# KiCad board tinytapeout-demo.kicad_pcb
title: TinyTapeout 4+ Demoboard; date: 2024-01-31; rev: 1.0.0; company: Psychogenic Technologies; note: (C) 2023, 2024 Pat Deegan
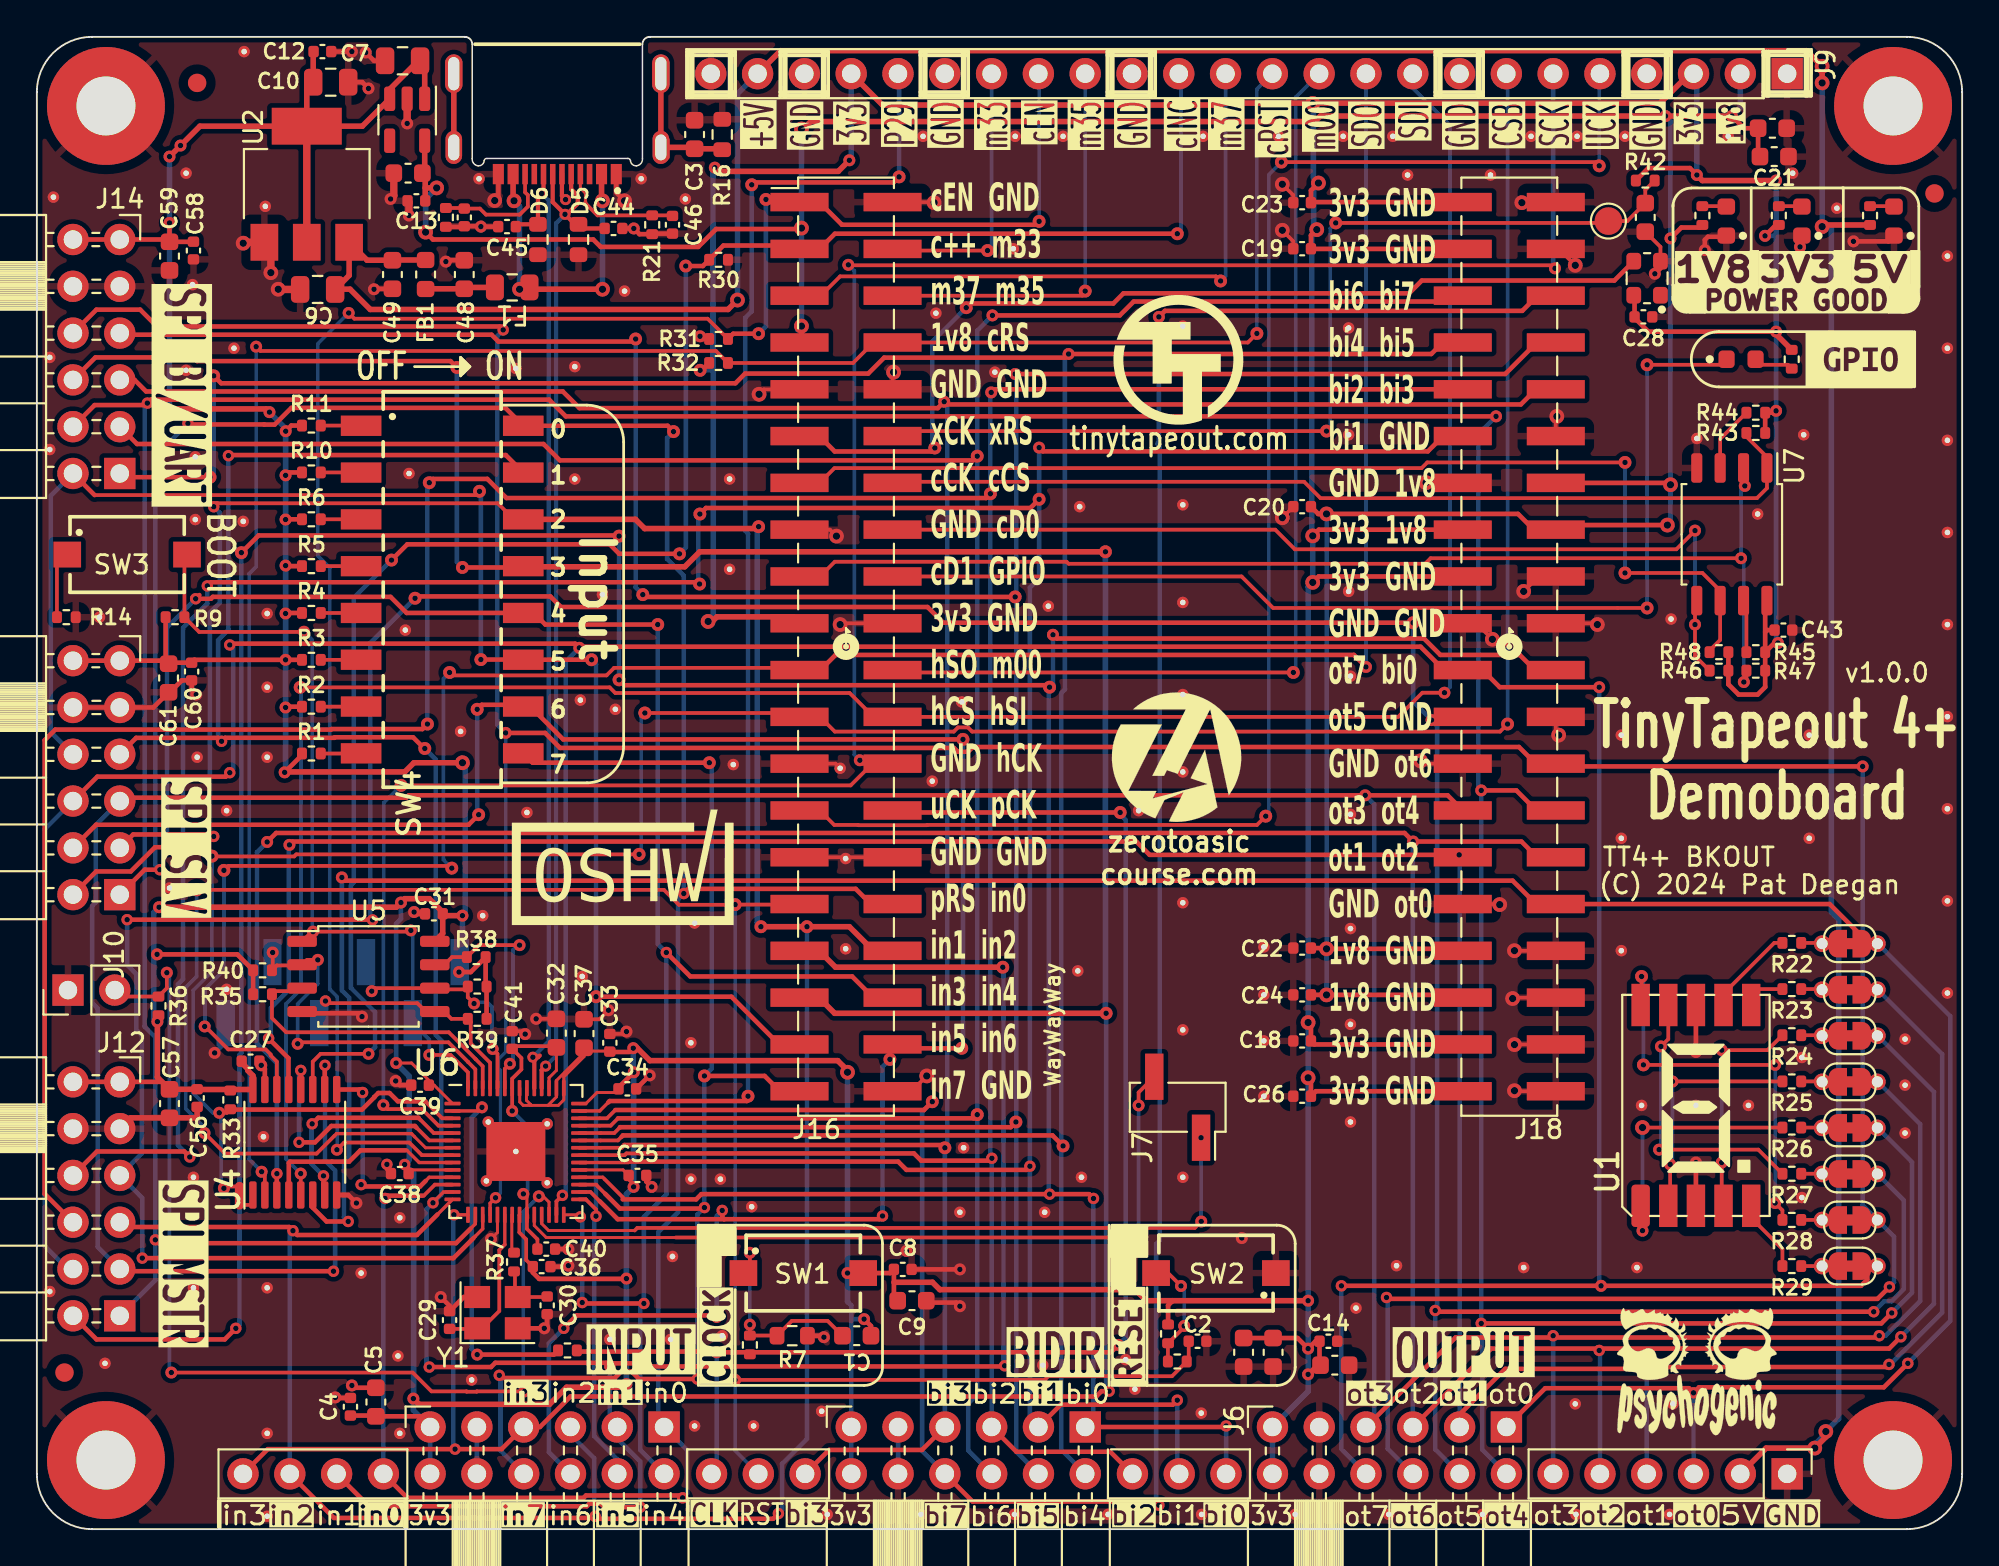
[diagram p0: board, top side]
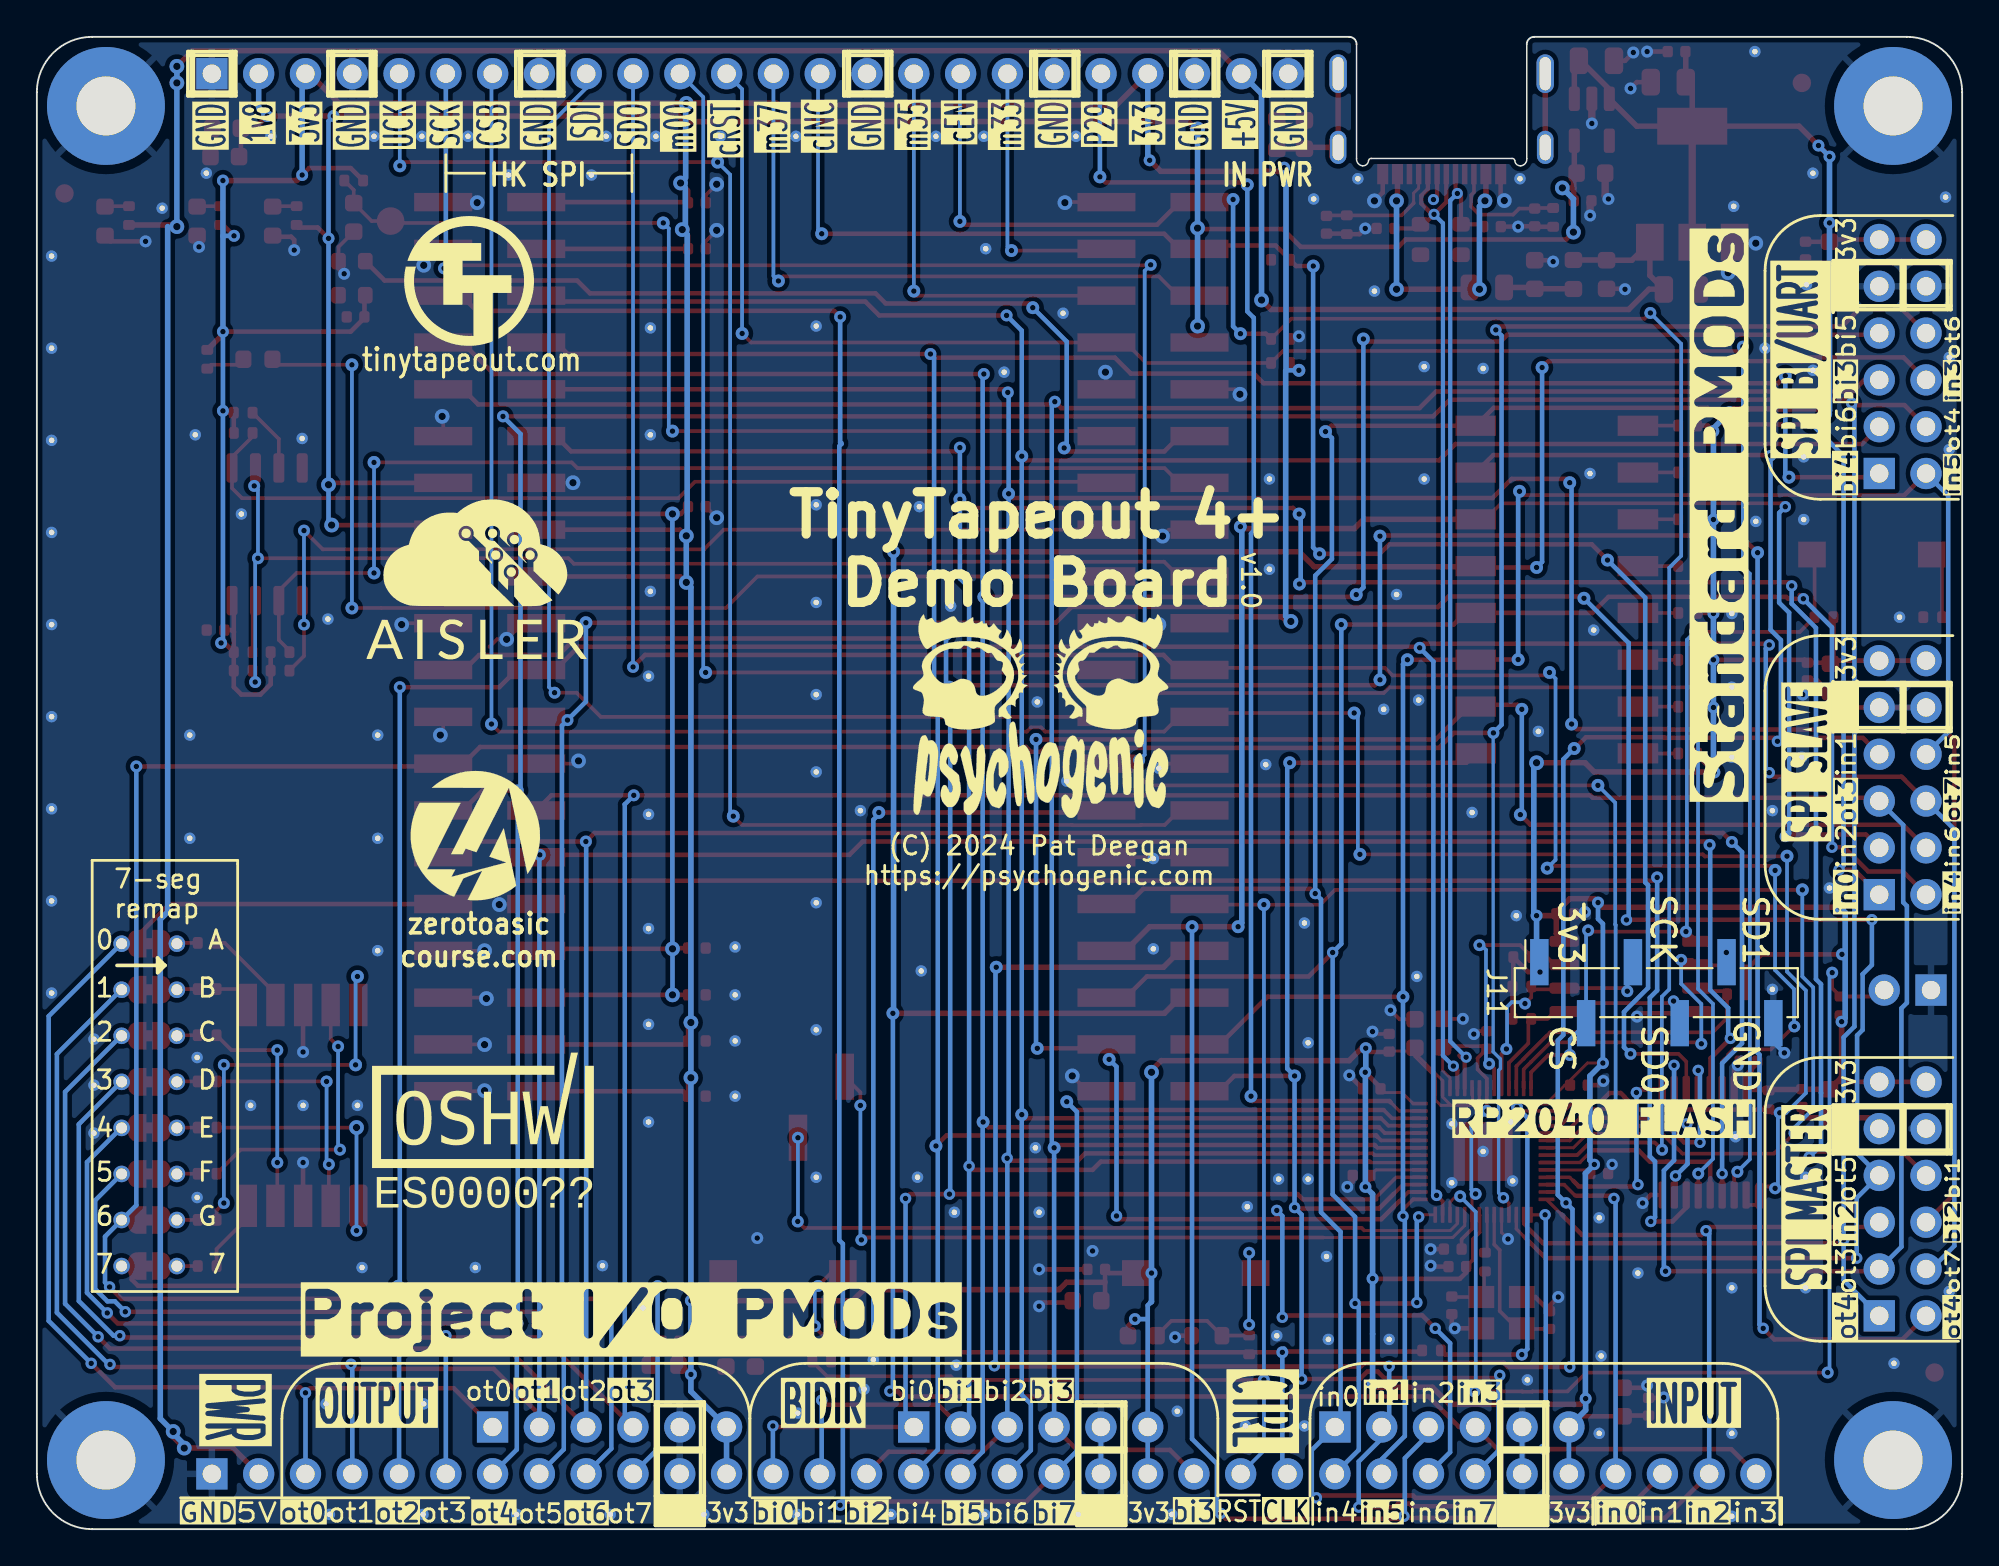
[diagram p1: board, bottom side, seen from below]

Outline 104.5 x 81 mm; copper layers: Top, In1.Cu, In2.Cu, Bottom. Coordinates in mm from the lower left corner of the outline.
Outline path: 23.63,80.6 arc(23.51,80.88) 23.23,81 3,81 arc(0.88,80.12) 0,78 0,3 arc(0.88,0.88) 3,0 101.5,0 arc(103.62,0.88) 104.5,3 104.5,78 arc(103.62,80.12) 101.5,81 33.27,81 arc(32.99,80.88) 32.87,80.6
Stack: Top 0.035mm / dielectric 0.0681mm R-1551(W) er 4.3 / dielectric 0.0681mm R-1551(W) er 4.3 / In1.Cu 0.035mm / dielectric 1.13mm R-1566(W) er 4.6 / In2.Cu 0.035mm / dielectric 0.0681mm R-1551(W) er 4.3 / dielectric 0.0681mm R-1551(W) er 4.3 / Bottom 0.035mm

## Placement (name value [footprint] x y rotation side)
C1  1uF  [C_0603_1608Metric]  44.5 10.5 180 top
C2  100nF  [C_0402_1005Metric]  63 10.2 0 top
C3  6800pF  [C_0603_1608Metric]  35.7 75.7 90 top
C4  100nF  [C_0402_1005Metric]  17.02 6.64 90 top
C5  1uF  [C_0603_1608Metric]  18.4 6.9 270 top
C6  10uF  [C_0805_2012Metric]  15.24 67.29 180 top
C7  10uF  [C_0805_2012Metric]  19.85 79.7 180 top
C8  100nF  [C_0402_1005Metric]  47 14.1 0 top
C9  1uF  [C_0603_1608Metric]  47.5 12.4 180 top
C10  22uF  [C_0805_2012Metric]  15.95 78.54 0 top
C11  1uF  [C_0603_1608Metric]  20.15 73.6 180 top
C12  100nF  [C_0402_1005Metric]  15.5 80.2 0 top
C13  100nF  [C_0402_1005Metric]  20.6 72.1 180 top
C14  100nF  [C_0402_1005Metric]  70.1 10.2 0 top
C15  1uF  [C_0603_1608Metric]  70.45 8.9 180 top
C16  10uF  [C_0603_1608Metric]  67.1 9.6 90 top
C17  1uF  [C_0603_1608Metric]  65.5 9.6 90 top
C18  100nF  [C_0402_1005Metric]  68.67 26.5 180 top
C19  100nF  [C_0402_1005Metric]  68.67 69.5 0 top
C20  100nF  [C_0402_1005Metric]  68.67 55.5 0 top
C21  10uF  [C_0603_1608Metric]  94.3 74.5 180 top
C22  100nF  [C_0402_1005Metric]  68.67 31.54 0 top
C23  100nF  [C_0402_1005Metric]  68.67 72 0 top
C24  100nF  [C_0402_1005Metric]  68.67 29 0 top
C25  1uF  [C_0603_1608Metric]  94.2 76.04 180 top
C26  100nF  [C_0402_1005Metric]  68.67 23.5 0 top
C27  100nF  [C_0402_1005Metric]  11.6 25.4 0 top
C28  100nF  [C_0402_1005Metric]  87.2 65.8 180 top
C29  6pF  [C_0402_1005Metric]  22.4 11.35 90 top
C30  6pF  [C_0402_1005Metric]  27.7 12.15 270 top
C31  100nF  [C_0402_1005Metric]  21.55 33.4 0 top
C32  1uF  [C_0603_1608Metric]  28.2 26.92 270 top
C33  100nF  [C_0402_1005Metric]  31.1 26.4 90 top
C34  100nF  [C_0402_1005Metric]  32.05 23.9 0 top
C35  100nF  [C_0402_1005Metric]  32.6 19.2 0 top
C36  100nF  [C_0402_1005Metric]  27.4 14.25 0 top
C37  1uF  [C_0603_1608Metric]  29.7 26.9 90 top
C38  100nF  [C_0402_1005Metric]  19.7 19.3 180 top
C39  100nF  [C_0402_1005Metric]  20.8 24.1 180 top
C40  100nF  [C_0402_1005Metric]  27.65 15.2 0 top
C41  100nF  [C_0402_1005Metric]  25.8 26.55 90 top
C42  1uF  [C_0603_1608Metric]  87.3 71.2 90 top
C43  100nF  [C_0402_1005Metric]  94.8 48.8 180 top
C44  C_33p_0402_50V  [C_0402_1005Metric]  31.3 70.6 0 top
C45  C_33p_0402_50V  [C_0402_1005Metric]  25.52 70.7 180 top
C46  C_33p_0402_50V  [C_0402_1005Metric]  34.5 70.8 270 top
C47  C_33p_0402_50V  [C_0402_1005Metric]  23.2 71.2 270 top
C48  1uF  [C_0603_1608Metric]  23.2 68.1 90 top
C49  1uF  [C_0603_1608Metric]  19.3 68.1 270 top
C56  100nF  [C_0402_1005Metric]  8.7 23.4 270 top
C57  1uF  [C_0603_1608Metric]  7.2 23.1 90 top
C58  100nF  [C_0402_1005Metric]  8.5 69.4 270 top
C59  1uF  [C_0603_1608Metric]  7.2 69.1 90 top
C60  100nF  [C_0402_1005Metric]  8.4 46.55 270 top
C61  1uF  [C_0603_1608Metric]  7.15 46.2 90 top
D1  Yellow  [LED_0603_1608Metric]  100.8 71 90 top
D2  Yellow  [LED_0603_1608Metric]  95.8 71 90 top
D3  Yellow  [LED_0603_1608Metric]  91.7 71 90 top
D4  Yellow  [LED_0603_1608Metric]  92.5 63.5 0 top
D5  TVS  [R_0603_1608Metric]  29.4 70 90 top
D6  TVS  [R_0603_1608Metric]  27.2 70 90 top
F1  350mA  [Fuse_0805_2012Metric]  25.8 67.4 180 top
FB1  FerriteBead_Small  [L_0603_1608Metric]  21.1 68.1 90 top
FID1  Fiducial  [Fiducial_1mm_Mask2mm]  1.5 8.5 0 top
FID2  Fiducial  [Fiducial_1mm_Mask2mm]  8.7 78.5 0 top
FID3  Fiducial  [Fiducial_1mm_Mask2mm]  103 72.5 0 top
G***  LOGO  [PsychoLogoSmall]  90.05 8.6 0 top
G***#2  -  [LOGO]  80.7 53 180 bottom
G***#3  LOGO  [PsychoLogo]  50.1 44.2 180 bottom
G***#4  -  [LOGO]  80.65 48.58 180 bottom
J1  Conn_01x06  [PinHeader_1x06_P2.54mm_Vertical]  95 3 270 top
J2  Conn_01x04  [PinHeader_1x04_P2.54mm_Vertical]  18.81 3 270 top
J3  613012243121  [PinSocket_2x06_P2.54mm_PMODHost1A]  21.34 5.54 90 top
J4  TT04_BREAKOUT_REVB  [TT04_BREAKOUT_SMB]  61.92 47.9 0 top
J5  613012243121  [PinSocket_2x06_P2.54mm_PMODHost1A]  44.2 5.54 90 top
J6  613012243121  [PinSocket_2x06_P2.54mm_PMODHost1A]  67.06 5.54 90 top
J7  Conn_01x02  [PinHeader_1x02_P2.54mm_Vertical_SMD_Pin1Right]  61.92 22.9 270 top
J8  Conn_01x03  [PinHeader_1x03_P2.54mm_Vertical]  64.55 3 270 top
J9  Conn_01x24  [PinHeader_1x24_P2.54mm_Vertical]  95 79 270 top
J10  Conn_01x02  [PinHeader_1x02_P2.54mm_Vertical]  1.69 29.26 90 top
J11  Conn_01x06  [PinHeader_1x06_P2.54mm_Vertical_SMD_Pin1Right]  16.6 29.12 90 bottom
J12  613012243121  [PinSocket_2x06_P2.54mm_PMODHost1A]  4.5 24.28 0 top
J13  613012243121  [PinSocket_2x06_P2.54mm_PMODHost1A]  4.5 47.14 0 top
J14  613012243121  [PinSocket_2x06_P2.54mm_PMODHost1A]  4.5 70 0 top
J15  USB4500-03-0-A_REVA  [GCT_USB4500-03-0-A_REVA]  28.25 79 180 top
J16  2x20_P2.54mm_Pinheader  [TT_BREAKOUT_PINHEADER_PLACEHOLDER_WITHPAD]  43.92 47.9 0 top
J17  Conn_01x03  [PinHeader_1x03_P2.54mm_Vertical]  41.7 3 270 top
J18  2x20_P2.54mm_Pinheader  [TT_BREAKOUT_PINHEADER_PLACEHOLDER_WITHPAD]  79.92 47.9 0 top
JP1  SolderJumper_2_Bridged  [SolderJumper-2_Bridged_Throughole1]  98.4 31.78 180 top
JP2  SolderJumper_2_Bridged  [SolderJumper-2_Bridged_Throughole1]  98.4 29.28 180 top
JP3  SolderJumper_2_Bridged  [SolderJumper-2_Bridged_Throughole1]  98.4 26.78 180 top
JP4  SolderJumper_2_Bridged  [SolderJumper-2_Bridged_Throughole1]  98.4 24.28 180 top
JP5  SolderJumper_2_Bridged  [SolderJumper-2_Bridged_Throughole1]  98.4 21.78 180 top
JP6  SolderJumper_2_Bridged  [SolderJumper-2_Bridged_Throughole1]  98.4 19.28 180 top
JP7  SolderJumper_2_Bridged  [SolderJumper-2_Bridged_Throughole1]  98.4 16.78 180 top
JP8  SolderJumper_2_Bridged  [SolderJumper-2_Bridged_Throughole1]  98.4 14.28 180 top
kibuzzard-63FE0D11  G***  [kibuzzard-63FE0D11]  99 63.5 0 top
MT1  MountingHole_Pad  [MountingHole_3.2mm_M3_Pad]  3.75 3.75 90 top
MT2  MountingHole_Pad  [MountingHole_3.2mm_M3_Pad]  100.75 3.75 0 top
MT3  MountingHole_Pad  [MountingHole_3.2mm_M3_Pad]  3.75 77.25 0 top
MT4  MountingHole_Pad  [MountingHole_3.2mm_M3_Pad]  100.75 77.25 0 top
NT1  NetTie_2  [NetTie-2_SMD_Pad0.5mm]  11 18.1 270 top
R1  1k  [R_0402_1005Metric]  14.9 42.1 0 top
R2  1k  [R_0402_1005Metric]  14.9 44.64 0 top
R3  1k  [R_0402_1005Metric]  14.9 47.19 0 top
R4  1k  [R_0402_1005Metric]  14.9 49.73 0 top
R5  1k  [R_0402_1005Metric]  14.9 52.27 0 top
R6  1k  [R_0402_1005Metric]  14.9 54.81 0 top
R7  47k  [R_0603_1608Metric]  41 10.5 0 top
R8  10k  [R_0402_1005Metric]  61.4 10.6 270 top
R9  10k  [R_0402_1005Metric]  7.5 49.5 0 top
R10  1k  [R_0402_1005Metric]  14.9 57.36 0 top
R11  1k  [R_0402_1005Metric]  14.9 59.9 0 top
R12  10k  [R_0402_1005Metric]  38.7 10 90 top
R13  1k  [R_0402_1005Metric]  61.9 9.1 0 top
R14  1k  [R_0402_1005Metric]  1.6 49.5 0 top
R15  1.2K  [R_0402_1005Metric]  99.5 71.3 90 top
R16  1M  [R_0603_1608Metric]  37.2 75.7 90 top
R17  510  [R_0402_1005Metric]  94.55 71.3 90 top
R18  0R  [R_0402_1005Metric]  90.4 71.3 90 top
R19  510  [R_0402_1005Metric]  95.25 63.5 270 top
R20  5.1k  [R_0402_1005Metric]  22.2 71.2 270 top
R21  5.1k  [R_0402_1005Metric]  33.4 70.8 270 top
R22  68R  [R_0402_1005Metric]  95.25 31.82 180 top
R23  68R  [R_0402_1005Metric]  95.25 29.31 180 top
R24  68R  [R_0402_1005Metric]  95.25 26.81 180 top
R25  68R  [R_0402_1005Metric]  95.25 24.3 180 top
R26  68R  [R_0402_1005Metric]  95.25 21.8 180 top
R27  68R  [R_0402_1005Metric]  95.25 19.29 180 top
R28  68R  [R_0402_1005Metric]  95.25 16.79 180 top
R29  68R  [R_0402_1005Metric]  95.25 14.28 180 top
R30  10k  [R_0402_1005Metric]  37 68.9 0 top
R31  10k  [R_0402_1005Metric]  37 64.6 180 top
R32  10k  [R_0402_1005Metric]  37 63.3 0 top
R33  10k  [R_0402_1005Metric]  10.5 23.3 270 top
R34  10k  [R_0402_1005Metric]  23.9 29.45 180 top
R35  10k  [R_0402_1005Metric]  12.25 29.03 0 top
R36  10k  [R_0402_1005Metric]  6.6 28.4 90 top
R37  1k  [R_0402_1005Metric]  25.9 14.5 90 top
R38  10k  [R_0402_1005Metric]  23.85 31.05 180 top
R39  10k  [R_0402_1005Metric]  23.9 27.7 180 top
R40  10k  [R_0402_1005Metric]  12.25 30.33 0 top
R41  47R  [R_0402_1005Metric]  28.8 9.7 0 top
R42  10k  [R_0402_1005Metric]  87.3 73.2 0 top
R43  10k  [R_0402_1005Metric]  93.3 59.5 180 top
R44  10k  [R_0402_1005Metric]  93.3 60.6 180 top
R45  10k  [R_0402_1005Metric]  93.3 47.6 180 top
R46  10k  [R_0402_1005Metric]  91.3 46.6 180 top
R47  10k  [R_0402_1005Metric]  93.3 46.6 180 top
R48  10k  [R_0402_1005Metric]  91.3 47.6 180 top
REF**  -  [OSHW_BADGE]  32.19 32.59 0 top
REF**#2  -  [Z2A_logo]  80.56 37.73 180 bottom
REF**#3  -  [OSHW_BADGE]  79.9 19.4 180 bottom
REF**#4  -  [TT_logo]  81 67.7 180 bottom
STITCH1  -  [StitchingVia-0.3mm]  27.7 18.8 0 top
STITCH1#2  -  [StitchingVia-0.3mm]  95.8 18 0 top
STITCH1#3  -  [StitchingVia-0.3mm]  54.9 50.1 0 top
STITCH1#4  -  [StitchingVia-0.3mm]  62.2 55.6 0 top
STITCH1#5  -  [StitchingVia-0.3mm]  87.1 23 0 top
STITCH1#6  -  [StitchingVia-0.3mm]  83.6 75.6 0 top
STITCH1#7  -  [StitchingVia-0.3mm]  48.6 40.6 0 top
STITCH1#8  -  [StitchingVia-0.3mm]  30.7 50.73 0 top
STITCH1#9  -  [StitchingVia-0.3mm]  0.7 58.6 0 top
STITCH1#10  -  [StitchingVia-0.3mm]  67.4 75.6 0 top
STITCH1#11  -  [StitchingVia-0.3mm]  11.2 54.7 0 top
STITCH1#12  -  [StitchingVia-0.3mm]  43.9 36.4 0 top
STITCH1#13  -  [StitchingVia-0.3mm]  20 48.8 0 top
STITCH1#14  -  [StitchingVia-0.3mm]  37.6 52.1 0 top
STITCH1#15  -  [StitchingVia-0.3mm]  62.2 45.3 0 top
STITCH1#16  -  [StitchingVia-0.3mm]  26 20.5 0 top
STITCH1#17  -  [StitchingVia-0.3mm]  70.9 75.6 0 top
STITCH1#18  -  [StitchingVia-0.3mm]  29.2 63.1 0 top
STITCH1#19  -  [StitchingVia-0.3mm]  54.7 17.2 0 top
STITCH1#20  -  [StitchingVia-0.3mm]  62.2 65.3 0 top
STITCH1#21  -  [StitchingVia-0.3mm]  8.5 19.1 0 top
STITCH1#22  -  [StitchingVia-0.3mm]  38.9 5.6 0 top
STITCH1#23  -  [StitchingVia-0.3mm]  71.3 27.4 0 top
STITCH1#24  -  [StitchingVia-0.3mm]  83.5 6.8 0 top
STITCH1#25  -  [StitchingVia-0.3mm]  3.7 9 0 top
STITCH1#26  -  [StitchingVia-0.3mm]  10.3 29.3 0 top
STITCH1#27  -  [StitchingVia-0.3mm]  29.6 30 0 top
STITCH1#28  -  [StitchingVia-0.3mm]  35.7 5.6 0 top
STITCH1#29  -  [StitchingVia-0.3mm]  48.8 66 0 top
STITCH1#30  -  [StitchingVia-0.3mm]  86 37.5 0 top
STITCH1#31  -  [StitchingVia-0.3mm]  66.6 26.5 0 top
STITCH1#32  -  [StitchingVia-0.3mm]  66.6 23.5 0 top
STITCH1#33  -  [StitchingVia-0.3mm]  48.1 75.6 0 top
STITCH1#34  -  [StitchingVia-0.3mm]  50.1 17.2 0 top
STITCH1#35  -  [StitchingVia-0.3mm]  29.2 57 0 top
STITCH1#36  -  [StitchingVia-0.3mm]  3.4 49.5 0 top
STITCH1#37  -  [StitchingVia-0.3mm]  86 43.1 0 top
STITCH1#38  -  [StitchingVia-0.3mm]  35.5 19 0 top
STITCH1#39  -  [StitchingVia-0.3mm]  31.1 10.3 0 top
STITCH1#40  -  [StitchingVia-0.3mm]  26 63 0 top
STITCH1#41  -  [StitchingVia-0.3mm]  63.3 75.6 0 top
STITCH1#42  -  [StitchingVia-0.3mm]  0.9 72.3 0 top
STITCH1#43  -  [StitchingVia-0.3mm]  19.6 9.4 0 top
STITCH1#44  -  [StitchingVia-0.3mm]  12.4 71.8 0 top
STITCH1#45  -  [StitchingVia-0.3mm]  59.1 9.2 0 top
STITCH1#46  -  [StitchingVia-0.3mm]  12.5 5.2 0 top
STITCH1#47  -  [StitchingVia-0.3mm]  10.7 64.1 0 top
STITCH1#48  -  [StitchingVia-0.3mm]  80.7 14.2 0 top
STITCH1#49  -  [StitchingVia-0.3mm]  101.4 26.6 0 top
STITCH1#50  -  [StitchingVia-0.3mm]  23 43.3 0 top
STITCH1#51  -  [StitchingVia-0.3mm]  96.2 43.1 0 top
STITCH1#52  -  [StitchingVia-0.3mm]  7.2 34.8 0 top
STITCH1#53  -  [StitchingVia-0.3mm]  35.5 26.4 0 top
STITCH1#54  -  [StitchingVia-0.3mm]  86.2 75.6 0 top
STITCH1#55  -  [StitchingVia-0.3mm]  29.5 45 0 top
STITCH1#56  -  [StitchingVia-0.3mm]  90.1 59.2 0 top
STITCH1#57  -  [StitchingVia-0.3mm]  71.3 32.6 0 top
STITCH1#58  -  [StitchingVia-0.3mm]  37.1 19 0 top
STITCH1#59  -  [StitchingVia-0.3mm]  88.8 6.8 0 top
STITCH1#60  -  [StitchingVia-0.3mm]  66.6 31.6 0 top
STITCH1#61  -  [StitchingVia-0.3mm]  12.5 13.1 0 top
STITCH1#62  -  [StitchingVia-0.3mm]  35.2 72.2 0 top
STITCH1#63  -  [StitchingVia-0.3mm]  34.4 10.3 0 top
STITCH1#64  -  [StitchingVia-0.3mm]  73.6 75.6 0 top
STITCH1#65  -  [StitchingVia-0.3mm]  23.6 8.1 0 top
STITCH1#66  -  [StitchingVia-0.3mm]  35.7 32.9 0 top
STITCH1#67  -  [StitchingVia-0.3mm]  12.5 49.7 0 top
STITCH1#68  -  [StitchingVia-0.3mm]  34.5 14.8 0 top
STITCH1#69  -  [StitchingVia-0.3mm]  71.3 22.1 0 top
STITCH1#70  -  [StitchingVia-0.3mm]  71.2 59.4 0 top
STITCH1#71  -  [StitchingVia-0.3mm]  53.1 75.6 0 top
STITCH1#72  -  [StitchingVia-0.3mm]  12.5 45.7 0 top
STITCH1#73  -  [StitchingVia-0.3mm]  10.3 39 0 top
STITCH1#74  -  [StitchingVia-0.3mm]  38.8 17.5 90 top
STITCH1#75  -  [StitchingVia-0.3mm]  50.2 44.9 0 top
STITCH1#76  -  [StitchingVia-0.3mm]  56.6 55.5 0 top
STITCH1#77  -  [StitchingVia-0.3mm]  71.3 46.3 0 top
STITCH1#78  -  [StitchingVia-0.3mm]  0.7 12.9 0 top
STITCH1#79  -  [StitchingVia-0.3mm]  81.1 75.6 0 top
STITCH1#80  -  [StitchingVia-0.3mm]  62.2 19.1 0 top
STITCH1#81  -  [StitchingVia-0.3mm]  59.8 39 90 top
STITCH1#82  -  [StitchingVia-0.3mm]  8.5 13.1 0 top
STITCH1#83  -  [StitchingVia-0.3mm]  63.2 6.3 0 top
STITCH1#84  -  [StitchingVia-0.3mm]  12.3 21.3 0 top
STITCH1#85  -  [StitchingVia-0.3mm]  24.4 18.9 0 top
STITCH1#86  -  [StitchingVia-0.3mm]  8.6 58.2 0 top
STITCH1#87  -  [StitchingVia-0.3mm]  92.9 23 0 top
STITCH1#88  -  [StitchingVia-0.3mm]  59.6 7.6 0 top
STITCH1#89  -  [StitchingVia-0.3mm]  73.8 14.3 0 top
STITCH1#90  -  [StitchingVia-0.3mm]  37.2 10.5 0 top
STITCH1#91  -  [StitchingVia-0.3mm]  43.6 41.3 0 top
STITCH1#92  -  [StitchingVia-0.3mm]  62.2 27.1 0 top
STITCH1#93  -  [StitchingVia-0.3mm]  101.4 21.5 0 top
STITCH1#94  -  [StitchingVia-0.3mm]  19.7 5.2 0 top
STITCH1#95  -  [StitchingVia-0.3mm]  19.7 16.9 0 top
STITCH1#96  -  [StitchingVia-0.3mm]  55.7 75.6 0 top
STITCH1#97  -  [StitchingVia-0.3mm]  74.4 73.5 0 top
STITCH1#98  -  [StitchingVia-0.3mm]  8.45 67.55 0 top
STITCH1#99  -  [StitchingVia-0.3mm]  93.4 55.1 0 top
STITCH1#100  -  [StitchingVia-0.3mm]  24.5 22.1 0 top
STITCH1#101  -  [StitchingVia-0.3mm]  26.6 38.9 0 top
STITCH1#102  -  [StitchingVia-0.3mm]  95.3 73.6 0 top
STITCH1#103  -  [StitchingVia-0.3mm]  62.2 41.1 0 top
STITCH1#104  -  [StitchingVia-0.3mm]  62.2 34 0 top
STITCH1#105  -  [StitchingVia-0.3mm]  56.7 19.1 0 top
STITCH1#106  -  [StitchingVia-0.3mm]  24 73.3 0 top
STITCH1#107  -  [StitchingVia-0.3mm]  24.2 33.3 0 top
STITCH1#108  -  [StitchingVia-0.3mm]  20.2 57.3 0 top
STITCH1#109  -  [StitchingVia-0.3mm]  54.6 8.9 0 top
STITCH1#110  -  [StitchingVia-0.3mm]  71.6 12 0 top
STITCH1#111  -  [StitchingVia-0.3mm]  103.7 29.1 0 top
STITCH1#112  -  [StitchingVia-0.3mm]  53 69.5 0 top
STITCH1#113  -  [StitchingVia-0.3mm]  71.2 50.9 0 top
STITCH1#114  -  [StitchingVia-0.3mm]  86 31.4 0 top
STITCH1#115  -  [StitchingVia-0.3mm]  90.05 23 0 top
STITCH1#116  -  [StitchingVia-0.3mm]  91.8 75.6 0 top
STITCH1#117  -  [StitchingVia-0.3mm]  12.5 41.9 0 top
STITCH1#118  -  [StitchingVia-0.3mm]  52 62.8 0 top
STITCH1#119  -  [StitchingVia-0.3mm]  56.5 30.3 0 top
STITCH1#120  -  [StitchingVia-0.3mm]  71.2 65.2 0 top
STITCH1#121  -  [StitchingVia-0.3mm]  32.8 73.3 0 top
STITCH1#122  -  [StitchingVia-0.3mm]  78.9 73.5 0 top
STITCH1#123  -  [StitchingVia-0.3mm]  8.1 62.9 0 top
STITCH1#124  -  [StitchingVia-0.3mm]  37.8 41.5 0 top
STITCH1#125  -  [StitchingVia-0.3mm]  8.7 41.9 0 top
STITCH1#126  -  [StitchingVia-0.3mm]  97.7 71.7 0 top
STITCH1#127  -  [StitchingVia-0.3mm]  17.6 13.9 0 top
STITCH1#128  -  [StitchingVia-0.3mm]  43.9 31.5 0 top
STITCH1#129  -  [StitchingVia-0.3mm]  0.7 63.6 0 top
STITCH1#130  -  [StitchingVia-0.3mm]  31.9 67.2 0 top
STITCH1#131  -  [StitchingVia-0.3mm]  8.6 54.8 0 top
STITCH1#132  -  [StitchingVia-0.3mm]  96.2 37.5 0 top
STITCH1#133  -  [StitchingVia-0.3mm]  66.6 29 0 top
STITCH1#134  -  [StitchingVia-0.3mm]  62.2 50.3 0 top
STITCH1#135  -  [StitchingVia-0.3mm]  88.7 49.4 0 top
STITCH1#136  -  [StitchingVia-0.3mm]  101.4 24.1 0 top
STITCH1#137  -  [StitchingVia-0.3mm]  50.3 20.7 0 top
STITCH1#138  -  [StitchingVia-0.3mm]  8.1 73.6 0 top
STITCH1#139  -  [StitchingVia-0.3mm]  95.8 25.6 0 top
STITCH1#140  -  [StitchingVia-0.3mm]  42.6 6.4 0 top
STITCH1#141  -  [StitchingVia-0.3mm]  86.85 14.2 0 top
STITCH1#142  -  [StitchingVia-0.3mm]  31.4 44.5 0 top
STITCH1#143  -  [StitchingVia-0.3mm]  37.6 57 0 top
STITCH1#144  -  [StitchingVia-0.3mm]  95.9 59.4 0 top
STITCH1#145  -  [StitchingVia-0.3mm]  27.7 22 0 top
STITCH1#146  -  [StitchingVia-0.3mm]  11.25 80.2 0 top
STITCH1#147  -  [StitchingVia-0.3mm]  71.3 38.8 0 top
STITCH2  -  [StitchingVia-0.3mm]  103.7 34.1 0 top
STITCH3  -  [StitchingVia-0.3mm]  103.7 39.1 0 top
STITCH4  -  [StitchingVia-0.3mm]  103.7 44.1 0 top
STITCH5  -  [StitchingVia-0.3mm]  103.7 49.1 0 top
STITCH6  -  [StitchingVia-0.3mm]  42.9 0.8 0 top
STITCH6#2  -  [StitchingVia-0.3mm]  12.5 0.7 0 top
STITCH6#3  -  [StitchingVia-0.3mm]  103.7 54.1 0 top
STITCH7  -  [StitchingVia-0.3mm]  103.7 59.1 0 top
STITCH8  -  [StitchingVia-0.3mm]  103.7 64.1 0 top
STITCH9  -  [StitchingVia-0.3mm]  103.7 69.1 0 top
STITCH10  -  [StitchingVia-0.3mm]  47.98 0.8 0 top
STITCH11  -  [StitchingVia-0.3mm]  53.06 0.8 0 top
STITCH12  -  [StitchingVia-0.3mm]  58.14 0.8 0 top
STITCH13  -  [StitchingVia-0.3mm]  63.22 0.8 0 top
STITCH14  -  [StitchingVia-0.3mm]  68.3 0.8 0 top
STITCH15  -  [StitchingVia-0.3mm]  73.38 0.8 0 top
STITCH16  -  [StitchingVia-0.3mm]  78.46 0.8 0 top
STITCH17  -  [StitchingVia-0.3mm]  83.54 0.8 0 top
STITCH18  -  [StitchingVia-0.3mm]  88.62 0.8 0 top
SW1  -  [434121025816]  41.6 13.9 0 top
SW2  -  [434121025816]  64 13.9 180 top
SW3  -  [434121025816]  4.9 52.9 0 top
SW4  -  [418121270808]  22 51 270 top
TP1  TestPoint  [TestPoint_Pad_D1.5mm]  85.3 71 0 top
TTLOGO  -  [TT_logo]  62 63.42 0 top
U1  157112V12700  [WL_S7DS-157112V12700]  90.05 23 90 top
U2  TLV1117LV33  [SOT-223-3_TabPin2]  14.65 73 90 top
U3  AP2112K-1.8  [SOT-23-5]  20.1 76.5 270 top
U4  74CBTLV3257  [TSSOP-16_4.4x5mm_P0.65mm]  14 21 90 top
U5  W25Q32JVSS  [SOIC-8_5.23x5.23mm_P1.27mm]  18 30 0 top
U6  RP2040  [QFN-56-1EP_7x7mm_P0.4mm_EP3.2x3.2mm]  26 20.5 0 top
U7  W25Q32JVSS  [SOIC-8_5.23x5.23mm_P1.27mm]  92 54 270 top
X1  20MHz  [Oscillator_SMD_ECS_2520MV-xxx-xx-4Pin_2.5x2.0mm]  87.4 67.9 180 top
Y1  12.0MHz  [Crystal_SMD_3225-4Pin_3.2x2.5mm]  25 11.75 0 top
Z2ALOGO  -  [Z2A_logo]  62 41.99 0 top
